# KiCad board panel_bottom.kicad_pcb (continued)
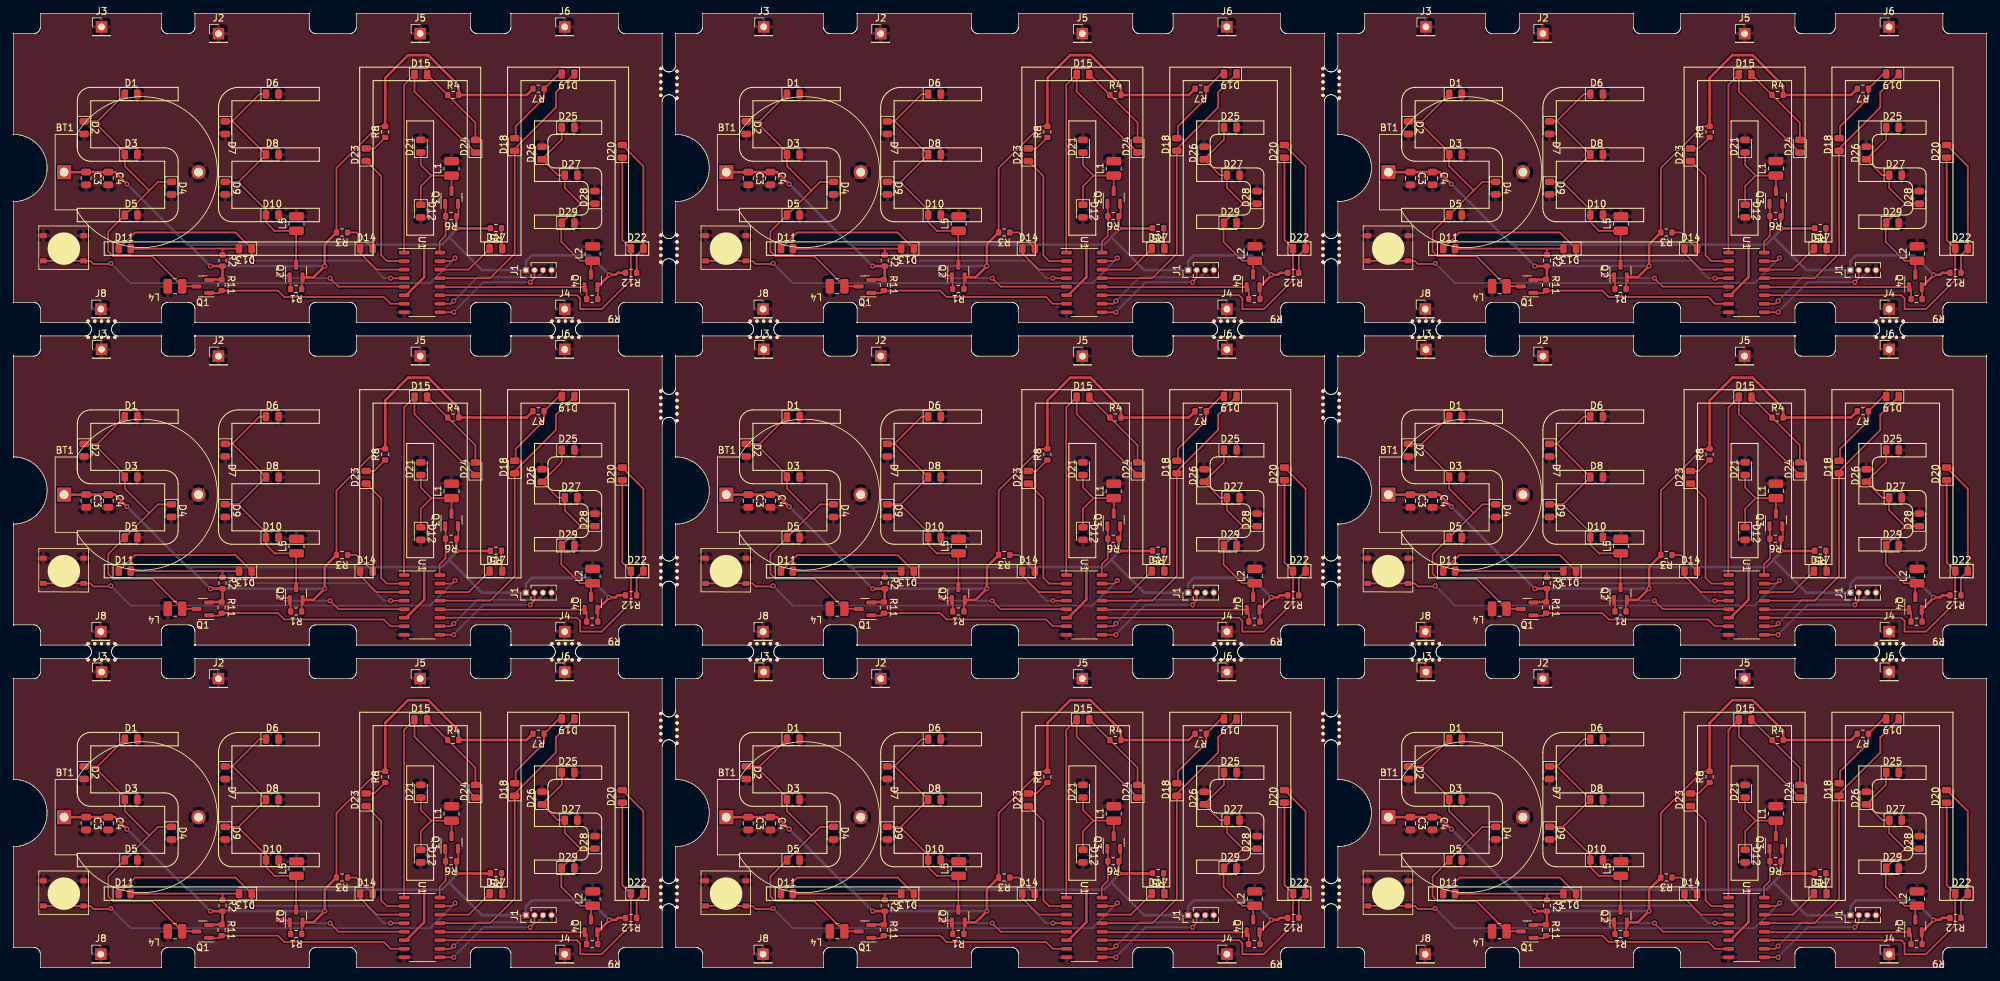
[diagram p0: board, top side]
## Routing (per net, layer and track width the routed paths; a pad name or vN(x,y) marks a point on that pad's centre or on a via; arc(x,y) is an arc through that point) (continued)
Board_4-/LED_EN_1: length 7.7
  Top w0.25: Q3#6.1 162.78,65.62 R6#4.2 162.78,60.91 161.89,60.02 161.89,58.47 U1#4.16
Board_4-/LED_EN_5: length 23.5
  Top w0.25: R9#7.2 183.77,52.95 Q4#8.1
  Top w0.254: Q4#8.1 162.01,53.26 U1#4.12
Board_4-/LED_EN_E: length 22.4
  Top w0.25: v1(138.2,55) 139.32,55 Q2#5.1 ; v1(145.6,54.6) 146.86,53.34 U1#4.5
  Top w0.254: R1#7.2 139.72,54.6 Q2#5.1
  Bottom w0.25: v1(138.2,55) 138.6,54.6 v1(145.6,54.6)
Board_4-/LED_EN_M1: length 47.3
  Top w0.254: U1#4.4 156.63,54.6 v1(154.6,54.6) ; D11#5.1 116.57,61.4 131.54,61.4 D13.1 133.94,57.26 v1(134,57.2)
  Bottom w0.254: v1(154.6,54.6) 153.6,54.6 151,57.2 v1(134,57.2)
Board_4-/LED_EN_M2: length 8.3
  Top w0.254: D14#8.1 150.06,58.34 152.52,55.88 U1#4.3
Board_4-/LED_EN_M3: length 18.8
  Top w0.254: U1#4.2 154.05,57.15 153.2,58 153.2,69.8 D23.1
Board_4-/LED_EN_M4: length 42.5
  Top w0.254: D24#6.1 158.15,82.37 D15#6.1 156.6,83.36 156.6,58.45 U1#4.1
Board_4-/LED_EN_M5: length 8.7
  Top w0.254: D17#9.1 166.21,55.88 U1#4.14
Board_4-/LED_EN_M6: length 43.1
  Top w0.254: U1#4.13 168.32,54.61 168.33,54.6 169.4,54.6 173.06,58.26 D18#6.1 173.06,73.86 179.2,80 179.2,82.26 D19#5.1
Board_4-/LED_EN_M7: length 50.7
  Top w0.254: U1#4.11 182.33,52.07 182.8,51.6 182.8,50 186,50 190.33,54.33 D22#8.1 189.06,60.27 D20#9.1
Board_4-/LED_EN_S: length 30
  Top w0.254: Q1#3.1 127.65,52.38 129.09,52.38 R11#5.2 137.85,52.75 138.8,51.8 153.6,51.8 154.6,50.8 U1#4.7 156.63,50.8
Board_4-/P3.0: length 17.4
  Top w0.254: v1(175.4,54) 176,54.6 J1#4.2 ; v1(164,49.53) U1#4.9
  Bottom w0.254: v1(175.4,54) 168.4,54 164,49.6 v1(164,49.53)
Board_4-/P3.1: length 17.7
  Top w0.254: v1(164,51.2) 163.6,50.8 U1#4.10 ; 177.2,55.73 J1#4.3
  Bottom w0.254: v1(164,51.2) 167.53,54.73 176.53,54.73 177.27,55.47 J1#4.3
Board_4-/SW_IN: length 66.7
  Top w0.25: SW1#3.1 SW1#3.1 109.94,57.17 110.4,56.72
  Top w0.254: U1#4.15 163.75,57.15 v1(164.2,57.6) ; 110.4,56.72 112.92,56.72 v1(113,56.8)
  Bottom w0.254: v1(164.2,57.6) 160.47,53.87 115.93,53.87 v1(113,56.8)
Board_4-Net-(D1-K): length 52.2
  Top w0.25: 110.44,77.94 111,77.94 D1#5.1 ; 110.44,77.94 D2#5.1 ; 110.44,77.94 115.06,73.31 D3#7.1 115.06,71.28 118.7,67.64 ; 118.7,67.64 120,68.94 D4#3.1 ; 118.7,67.64 D5#3.1
  Top w0.254: D5#3.1 112.6,61.54 112.6,58.6 113.33,57.87 119.13,57.87 L4#4.1 125.7,53.4 Q1#3.3
Board_4-Net-(D10-K): length 43.4
  Top w0.25: D6#8.1 135.1,82 131.04,77.94 D7#5.1 131.12,77.94 D8#4.1 132,68.94 D9#2.1 131.89,68.94 136.06,64.76 D10#7.1
  Top w0.254: Q2#5.3 140.55,61.6 L5#4.1 137.45,61.65 137.4,61.6 136.06,62.94 D10#7.1
Board_4-Net-(D11-A): length 19.7
  Top w0.25: D11#5.2 D13.2
  Top w0.254: D11#5.2 118.58,59 ; R2#2.1 129.6,59
Board_4-Net-(D12-K): length 14.4
  Top w0.25: D21#9.1 159.09,71.45 160.68,69.86 ; 160.68,69.86 159.09,68.28 D12.1 ; 160.68,69.86 L1#8.1 Q3#6.3
Board_4-Net-(D14-A): length 4.9
  Top w0.254: R3#4.1 149.54,61.4 D14#8.2 152.04,58.89
Board_4-Net-(D15-A): length 12.7
  Top w0.254: D24#6.2 167.22,77.73 R4#9.1 160.04,84.91 D15#6.2
  Top w0.381: R4#9.1 163.08,81.86
Board_4-Net-(D17-A): length 3.1
  Top w0.254: D17#9.2 171.09,59.11 R5#9.1
Board_4-Net-(D18-A): length 12.8
  Top w0.254: D19#5.2 179.62,85 177.43,82.8 177.43,81.42 173.2,77.2 173.2,75.57 D18#6.2 ; 180.14,85.2 180.17,85.16
Board_4-Net-(D20-A): length 20.7
  Top w0.254: D20#9.2 192.21,71.27 D22#8.2 191.2,57.99 R12#6.1
Board_4-Net-(D23-A): length 3.5
  Top w0.254: D23.2 152.16,73.91 R8#4.1
Board_4-Net-(D25-K): length 32.5
  Top w0.25: D26#6.1 179.49,69.92 D27#5.1 180.51,68.05 182.87,65.68 ; Q4#8.3 184.4,56.94 L2#8.1 ; 182.87,65.68 D28#4.1 ; 182.87,65.68 180,62.81 180,60
  Top w0.254: D26#6.1 180.06,75.22 D25#7.1 ; L2#8.1 182.81,57.19 180,60
Board_4-VCC: length 210.6
  Top w0.25: Q4#8.2 185.42,53.2 R9#7.1 ; Q3#6.2 164.68,65.62 164.68,64.08 R6#4.1
  Top w0.254: R3#4.2 146.55,71 152.75,77.2 R8#4.2 ; Q2#5.2 141.38,54.6 R1#7.1
  Top w0.381: Q1#3.2 127.68,54.4 R11#5.1 129.6,54.54 R2#2.2 v1(127.8,56.4) ; R3#4.2 144.8,59.65 v1(144.8,56.4) 143.12,54.72 Q2#5.2 ; R5#9.2 169.39,62 v1(164.4,62) 164.4,63.8 R6#4.1 ; Q4#8.2 187.1,55.01 v1(187.1,55.1) 188.1,55.1 188.4,55.4 R12#6.2 ; U1#4.6 156.91,52.07 159.6,54.75 v1(159.6,59.6) ; R8#4.2 153.8,84.4 157.2,87.8 160.2,87.8 164.74,83.26 R4#9.2 174.84,81.86 R7#2.2 ; v1(115.4,68.6) 113.6,70.4 C4#5.1 C3#7.1 109.29,70.38 BT1#4.1 ; 112.41,70.38 112.61,70.18
  Bottom w0.381: v1(144.8,56.4) v1(127.8,56.4) 124.4,59.8 124.2,59.8 ; 163.3,60.7 164.4,61.8 v1(164.4,62) ; 163.3,60.7 162.2,59.6 v1(159.6,59.6) 124.4,59.6 124.2,59.8 ; 163.3,60.7 168.2,55.8 J1#4.1 174.73,57.13 175.6,58 184.2,58 v1(187.1,55.1) ; 124.2,59.8 v1(115.4,68.6)
Board_5-/LED_EN_1: length 7.7
  Top w0.25: U1#8.16 260.39,58.47 260.39,60.02 261.28,60.91 R6.2 261.28,65.62 Q3#2.1
Board_5-/LED_EN_5: length 23.5
  Top w0.25: R9#6.2 282.27,52.95 Q4#3.1
  Top w0.254: Q4#3.1 260.51,53.26 U1#8.12
Board_5-/LED_EN_E: length 22.4
  Top w0.25: v1(244.1,54.6) 245.36,53.34 U1#8.5 ; v1(236.7,55) 237.82,55 Q2#6.1
  Top w0.254: Q2#6.1 238.22,54.6 R1#9.2
  Bottom w0.25: v1(236.7,55) 237.1,54.6 v1(244.1,54.6)
Board_5-/LED_EN_M1: length 47.3
  Top w0.254: D11#7.1 215.07,61.4 230.04,61.4 D13#9.1 232.44,57.26 v1(232.5,57.2) ; U1#8.4 255.13,54.6 v1(253.1,54.6)
  Bottom w0.254: v1(232.5,57.2) 249.5,57.2 252.1,54.6 v1(253.1,54.6)
Board_5-/LED_EN_M2: length 8.3
  Top w0.254: U1#8.3 251.02,55.88 248.56,58.34 D14#5.1
Board_5-/LED_EN_M3: length 18.8
  Top w0.254: D23#5.1 251.7,69.8 251.7,58 252.55,57.15 U1#8.2
Board_5-/LED_EN_M4: length 42.5
  Top w0.254: U1#8.1 255.1,58.45 255.1,83.36 D15#4.1 256.65,82.37 D24#7.1
Board_5-/LED_EN_M5: length 8.7
  Top w0.254: U1#8.14 264.71,55.88 D17#7.1
Board_5-/LED_EN_M6: length 43.1
  Top w0.254: D19#3.1 277.7,82.26 277.7,80 271.56,73.86 D18#7.1 271.56,58.26 267.9,54.6 266.83,54.6 266.82,54.61 U1#8.13
Board_5-/LED_EN_M7: length 50.7
  Top w0.254: D20#6.1 287.56,60.27 D22#5.1 288.83,54.33 284.5,50 281.3,50 281.3,51.6 280.83,52.07 U1#8.11
Board_5-/LED_EN_S: length 30
  Top w0.254: 255.13,50.8 U1#8.7 253.1,50.8 252.1,51.8 237.3,51.8 236.35,52.75 R11#6.2 227.59,52.38 226.15,52.38 Q1#9.1
Board_5-/P3.0: length 17.4
  Top w0.254: J1#9.2 274.5,54.6 v1(273.9,54) ; v1(262.5,49.53) U1#8.9
  Bottom w0.254: v1(262.5,49.53) 262.5,49.6 266.9,54 v1(273.9,54)
Board_5-/P3.1: length 17.7
  Top w0.254: U1#8.10 262.1,50.8 v1(262.5,51.2) ; 275.7,55.73 J1#9.3
  Bottom w0.254: J1#9.3 275.77,55.47 275.03,54.73 266.03,54.73 v1(262.5,51.2)
Board_5-/SW_IN: length 66.7
  Top w0.25: 208.9,56.72 208.44,57.17 SW1.1 SW1.1
  Top w0.254: v1(211.5,56.8) 211.42,56.72 208.9,56.72 ; U1#8.15 262.25,57.15 v1(262.7,57.6)
  Bottom w0.254: v1(262.7,57.6) 258.97,53.87 214.43,53.87 v1(211.5,56.8)
Board_5-Net-(D1-K): length 52.2
  Top w0.25: 208.94,77.94 213.56,73.31 D3#2.1 213.56,71.28 217.2,67.64 ; 208.94,77.94 D2.1 ; 208.94,77.94 209.5,77.94 D1#6.1 ; D4#7.1 218.5,68.94 217.2,67.64 ; 217.2,67.64 D5#5.1
  Top w0.254: D5#5.1 211.1,61.54 211.1,58.6 211.83,57.87 217.63,57.87 L4#5.1 224.2,53.4 Q1#9.3
Board_5-Net-(D10-K): length 43.4
  Top w0.25: D10#6.1 234.56,64.76 230.39,68.94 D9.1 230.5,68.94 D8#5.1 229.62,77.94 D7#2.1 229.54,77.94 233.6,82 D6#7.1
  Top w0.254: D10#6.1 234.56,62.94 235.9,61.6 235.95,61.65 L5#7.1 239.05,61.6 Q2#6.3
Board_5-Net-(D11-A): length 19.7
  Top w0.25: D13#9.2 D11#7.2
  Top w0.254: R2#8.1 228.1,59 ; D11#7.2 217.08,59
Board_5-Net-(D12-K): length 14.4
  Top w0.25: 259.18,69.86 257.59,71.45 D21#4.1 ; 259.18,69.86 L1#5.1 Q3#2.3 ; 259.18,69.86 257.59,68.28 D12#4.1
Board_5-Net-(D14-A): length 4.9
  Top w0.254: R3#8.1 248.04,61.4 D14#5.2 250.54,58.89
Board_5-Net-(D15-A): length 12.7
  Top w0.254: D15#4.2 258.55,84.91 R4#5.1 265.72,77.73 D24#7.2
  Top w0.381: R4#5.1 261.58,81.86
Board_5-Net-(D17-A): length 3.1
  Top w0.254: 269.59,62.05 269.59,59.11 D17#7.2
Board_5-Net-(D18-A): length 12.8
  Top w0.254: D18#7.2 271.7,75.57 271.7,77.2 275.93,81.42 R7#9.1 278.12,85 D19#3.2 ; 278.64,85.2 278.67,85.16
Board_5-Net-(D20-A): length 20.7
  Top w0.254: D20#6.2 290.71,71.27 D22#5.2 289.7,57.99 R12#7.1
Board_5-Net-(D23-A): length 3.5
  Top w0.254: D23#5.2 250.66,73.91 R8#3.1
Board_5-Net-(D25-K): length 32.5
  Top w0.25: 281.37,65.68 278.5,62.81 278.5,60 ; 281.37,65.68 D28#3.1 ; 281.37,65.68 279.01,68.05 D27.1 277.99,69.92 D26#7.1 ; Q4#3.3 282.9,56.94 L2.1
  Top w0.254: D25#4.1 278.56,75.22 D26#7.1 ; 278.5,60 281.31,57.19 L2.1
Board_5-VCC: length 210.6
  Top w0.25: Q4#3.2 283.92,53.2 R9#6.1 ; Q3#2.2 263.18,65.62 263.18,64.08 R6.1
  Top w0.254: Q2#6.2 239.88,54.6 R1#9.1 ; R8#3.2 251.25,77.2 245.05,71 R3#8.2
  Top w0.381: U1#8.6 255.41,52.07 258.1,54.75 v1(258.1,59.6) ; v1(213.9,68.6) 212.1,70.4 C4#9.1 C3#2.1 207.79,70.38 BT1#7.1 ; R6.1 262.9,63.8 v1(262.9,62) 267.89,62 R5#3.2 ; v1(226.3,56.4) R2#8.2 228.1,54.54 R11#6.1 226.18,54.4 Q1#9.2 ; R12#7.2 286.9,55.4 286.6,55.1 v1(285.6,55.1) 285.6,55.01 Q4#3.2 ; 210.91,70.38 211.11,70.18 ; 274.27,82.8 273.34,81.86 R4#5.2 263.24,83.26 258.7,87.8 255.7,87.8 252.3,84.4 R8#3.2 ; Q2#6.2 241.62,54.72 v1(243.3,56.4) 243.3,59.65 R3#8.2
  Bottom w0.381: v1(262.9,62) 262.9,61.8 261.8,60.7 ; 261.8,60.7 260.7,59.6 v1(258.1,59.6) 222.9,59.6 222.7,59.8 ; 261.8,60.7 266.7,55.8 J1#9.1 273.23,57.13 274.1,58 282.7,58 v1(285.6,55.1) ; v1(243.3,56.4) v1(226.3,56.4) 222.9,59.8 222.7,59.8 ; 222.7,59.8 v1(213.9,68.6)
Board_6-/LED_EN_1: length 7.7
  Top w0.25: U1#3.16 63.39,10.47 63.39,12.02 64.28,12.91 R6#9.2 64.28,17.62 Q3.1
Board_6-/LED_EN_5: length 23.5
  Top w0.25: R9#9.2 85.27,4.95 Q4#9.1
  Top w0.254: Q4#9.1 63.51,5.26 U1#3.12
Board_6-/LED_EN_E: length 22.4
  Top w0.25: Q2#8.1 40.83,7 v1(39.7,7) ; v1(47.1,6.6) 48.36,5.34 U1#3.5
  Top w0.254: Q2#8.1 41.23,6.6 41.23,5
  Bottom w0.25: v1(47.1,6.6) 40.1,6.6 v1(39.7,7)
Board_6-/LED_EN_M1: length 47.3
  Top w0.254: v1(56.1,6.6) 58.13,6.6 U1#3.4 ; D11#3.1 18.07,13.4 33.04,13.4 D13#7.1 35.44,9.26 v1(35.5,9.2)
  Bottom w0.254: v1(35.5,9.2) 52.5,9.2 55.1,6.6 v1(56.1,6.6)
Board_6-/LED_EN_M2: length 8.3
  Top w0.254: D14.1 51.56,10.34 54.02,7.88 U1#3.3
Board_6-/LED_EN_M3: length 18.8
  Top w0.254: D23#4.1 54.7,21.8 54.7,10 55.55,9.15 U1#3.2
Board_6-/LED_EN_M4: length 42.5
  Top w0.254: U1#3.1 58.1,10.45 58.1,35.36 D15#7.1 59.65,34.37 D24#4.1
Board_6-/LED_EN_M5: length 8.7
  Top w0.254: D17#5.1 67.71,7.88 U1#3.14
Board_6-/LED_EN_M6: length 43.1
  Top w0.254: D19.1 80.7,34.26 80.7,32 74.56,25.86 D18.1 74.56,10.26 70.9,6.6 69.83,6.6 69.82,6.61 U1#3.13
Board_6-/LED_EN_M7: length 50.7
  Top w0.254: U1#3.11 83.83,4.07 84.3,3.6 84.3,2 87.5,2 91.83,6.33 D22#4.1 90.56,12.27 D20#8.1
Board_6-/LED_EN_S: length 30
  Top w0.254: Q1#4.1 29.15,4.38 30.59,4.38 R11#8.2 39.35,4.75 40.3,3.8 55.1,3.8 56.1,2.8 U1#3.7 58.13,2.8
Board_6-/P3.0: length 17.4
  Top w0.254: J1#2.2 77.5,6.6 v1(76.9,6) ; v1(65.5,1.53) U1#3.9
  Bottom w0.254: v1(76.9,6) 69.9,6 65.5,1.6 v1(65.5,1.53)
Board_6-/P3.1: length 17.7
  Top w0.254: v1(65.5,3.2) 65.1,2.8 U1#3.10 ; 78.7,7.73 J1#2.3
  Bottom w0.254: J1#2.3 78.77,7.47 78.03,6.73 69.03,6.73 v1(65.5,3.2)
Board_6-/SW_IN: length 66.7
  Top w0.25: 11.9,8.72 11.44,9.18 SW1#7.1 SW1#7.1
  Top w0.254: v1(65.7,9.6) 65.25,9.15 U1#3.15 ; 11.9,8.72 14.42,8.72 v1(14.5,8.8)
  Bottom w0.254: v1(14.5,8.8) 17.43,5.87 61.97,5.87 v1(65.7,9.6)
Board_6-Net-(D1-K): length 52.2
  Top w0.25: 11.94,29.94 D2#6.1 ; 11.94,29.94 12.5,29.94 D1#2.1 ; 11.94,29.94 16.56,25.31 D3#5.1 16.56,23.28 20.2,19.64 ; 20.2,19.64 21.5,20.94 D4#2.1 ; 20.2,19.64 D5#7.1
  Top w0.254: D5#7.1 14.1,13.54 14.1,10.6 14.83,9.87 20.63,9.87 L4#9.1 27.2,5.4 Q1#4.3
Board_6-Net-(D10-K): length 43.4
  Top w0.25: D10#9.1 37.56,16.76 33.39,20.94 D9#4.1 33.5,20.94 D8#6.1 32.62,29.94 D7#9.1 32.54,29.94 36.6,34 D6.1
  Top w0.254: D10#9.1 37.56,14.94 38.9,13.6 38.95,13.65 L5.1 42.05,13.6 Q2#8.3
Board_6-Net-(D11-A): length 19.7
  Top w0.25: D11#3.2 D13#7.2
  Top w0.254: R2#7.1 31.1,11 ; D11#3.2 20.08,11
Board_6-Net-(D12-K): length 14.4
  Top w0.25: 62.17,21.87 L1#9.1 Q3.3 ; 62.17,21.87 60.59,20.28 D12#5.1 ; 62.17,21.87 60.59,23.45 D21#3.1
Board_6-Net-(D14-A): length 4.9
  Top w0.254: R3#7.1 51.04,13.4 D14.2 53.54,10.89
Board_6-Net-(D15-A): length 12.7
  Top w0.254: D24#4.2 68.72,29.74 R4#3.1 61.55,36.91 D15#7.2
  Top w0.381: R4#3.1 64.58,33.86
Board_6-Net-(D17-A): length 3.1
  Top w0.254: R5#8.1 72.59,11.11 D17#5.2
Board_6-Net-(D18-A): length 12.8
  Top w0.254: D19.2 81.12,37 R7.1 78.92,33.43 74.7,29.2 74.7,27.57 D18.2 ; 81.64,37.2 81.67,37.16
Board_6-Net-(D20-A): length 20.7
  Top w0.254: D20#8.2 93.71,23.27 D22#4.2 92.7,9.99 R12#5.1
Board_6-Net-(D23-A): length 3.5
  Top w0.254: D23#4.2 53.66,25.91 R8#9.1
Board_6-Net-(D25-K): length 32.5
  Top w0.25: Q4#9.3 85.9,8.94 86.15,9.19 ; 84.37,17.68 82.01,20.05 D27#7.1 80.99,21.92 D26#5.1 ; 84.37,17.68 D28#5.1 ; 84.37,17.68 81.5,14.81 81.5,12
  Top w0.254: 81.5,12 84.31,9.19 86.15,9.19 ; D26#5.1 81.56,27.22 D25#8.1
Board_6-VCC: length 210.6
  Top w0.25: Q4#9.2 86.92,5.2 R9#9.1 ; R6#9.1 66.18,16.08 66.18,17.62 Q3.2
  Top w0.254: Q2#8.2 42.88,6.6 R1#6.1 ; R8#9.2 54.25,29.2 48.05,23 R3#7.2
  Top w0.381: R3#7.2 46.3,11.65 v1(46.3,8.4) 44.62,6.72 Q2#8.2 ; R8#9.2 55.3,36.4 58.7,39.8 61.7,39.8 66.24,35.26 66.24,33.86 76.34,33.86 R7.2 ; v1(16.9,20.6) 15.1,22.4 C4.1 C3#5.1 10.79,22.38 BT1#6.1 ; R5#8.2 70.89,14 v1(65.9,14) 65.9,15.8 R6#9.1 ; R12#5.2 89.9,7.4 89.6,7.1 v1(88.6,7.1) 88.6,7.01 Q4#9.2 ; U1#3.6 58.41,4.07 61.1,6.75 v1(61.1,11.6) ; 13.91,22.38 14.11,22.18 ; v1(29.3,8.4) R2#7.2 31.1,6.54 R11#8.1 29.18,6.4 Q1#4.2
  Bottom w0.381: 64.8,12.7 69.7,7.8 J1#2.1 76.23,9.13 77.1,10 85.7,10 v1(88.6,7.1) ; 64.8,12.7 63.7,11.6 v1(61.1,11.6) 25.9,11.6 25.7,11.8 ; 64.8,12.7 65.9,13.8 v1(65.9,14) ; 25.7,11.8 v1(16.9,20.6) ; 25.7,11.8 25.9,11.8 v1(29.3,8.4) v1(46.3,8.4)
Board_7-/LED_EN_1: length 7.7
  Top w0.25: Q3#3.1 162.78,17.62 R6#6.2 162.78,12.91 161.89,12.02 161.89,10.47 U1#2.16
Board_7-/LED_EN_5: length 23.5
  Top w0.25: Q4#2.1 183.77,4.95 R9#4.2
  Top w0.254: Q4#2.1 162.01,5.26 U1#2.12
Board_7-/LED_EN_E: length 22.4
  Top w0.25: U1#2.5 146.86,5.34 v1(145.6,6.6) ; v1(138.2,7) 139.32,7 Q2#2.1
  Top w0.254: R1.2 139.72,6.6 Q2#2.1
  Bottom w0.25: v1(138.2,7) 138.6,6.6 v1(145.6,6.6)
Board_7-/LED_EN_M1: length 47.3
  Top w0.254: D11#8.1 116.57,13.4 131.54,13.4 D13#3.1 133.94,9.26 v1(134,9.2) ; U1#2.4 156.63,6.6 v1(154.6,6.6)
  Bottom w0.254: v1(154.6,6.6) 153.6,6.6 151,9.2 v1(134,9.2)
Board_7-/LED_EN_M2: length 8.3
  Top w0.254: D14#4.1 150.06,10.34 152.52,7.88 U1#2.3
Board_7-/LED_EN_M3: length 18.8
  Top w0.254: U1#2.2 154.05,9.15 153.2,10 153.2,21.8 D23#9.1
Board_7-/LED_EN_M4: length 42.5
  Top w0.254: U1#2.1 156.6,10.45 156.6,35.36 D15#9.1 158.15,34.37 D24#2.1
Board_7-/LED_EN_M5: length 8.7
  Top w0.254: U1#2.14 166.21,7.88 D17#6.1
Board_7-/LED_EN_M6: length 43.1
  Top w0.254: D19#4.1 179.2,34.26 179.2,32 173.06,25.86 D18#3.1 173.06,10.26 169.4,6.6 168.33,6.6 168.32,6.61 U1#2.13
Board_7-/LED_EN_M7: length 50.7
  Top w0.254: D20#4.1 189.06,12.27 D22#2.1 190.33,6.33 186,2 182.8,2 182.8,3.6 182.33,4.07 U1#2.11
Board_7-/LED_EN_S: length 30
  Top w0.254: 156.63,2.8 U1#2.7 154.6,2.8 153.6,3.8 138.8,3.8 137.85,4.75 R11#3.2 129.09,4.38 127.65,4.38 Q1#2.1
Board_7-/P3.0: length 17.4
  Top w0.254: J1#3.2 176,6.6 v1(175.4,6) ; v1(164,1.53) U1#2.9
  Bottom w0.254: v1(164,1.53) 164,1.6 168.4,6 v1(175.4,6)
Board_7-/P3.1: length 17.7
  Top w0.254: v1(164,3.2) 163.6,2.8 U1#2.10 ; 177.2,7.73 J1#3.3
  Bottom w0.254: J1#3.3 177.27,7.47 176.53,6.73 167.53,6.73 v1(164,3.2)
Board_7-/SW_IN: length 66.7
  Top w0.25: 110.4,8.72 109.94,9.18 SW1#9.1 SW1#9.1
  Top w0.254: 110.4,8.72 112.92,8.72 v1(113,8.8) ; v1(164.2,9.6) 163.75,9.15 U1#2.15
  Bottom w0.254: v1(113,8.8) 115.93,5.87 160.47,5.87 v1(164.2,9.6)
Board_7-Net-(D1-K): length 52.2
  Top w0.25: 118.7,19.64 115.06,23.28 D3#4.1 115.06,25.31 110.44,29.94 ; 118.7,19.64 D5#6.1 ; 118.7,19.64 120,20.94 D4#4.1 ; 110.44,29.94 D2#3.1 ; 110.44,29.94 111,29.94 D1.1
  Top w0.254: Q1#2.3 125.7,5.4 L4#7.1 119.13,9.87 113.33,9.87 112.6,10.6 112.6,13.54 D5#6.1
Board_7-Net-(D10-K): length 43.4
  Top w0.25: D10#3.1 136.06,16.76 131.89,20.94 D9#8.1 132,20.94 D8#7.1 131.12,29.94 D7#3.1 131.04,29.94 135.1,34 D6#4.1
  Top w0.254: Q2#2.3 140.55,13.6 L5#3.1 137.45,13.65 137.4,13.6 136.06,14.94 D10#3.1
Board_7-Net-(D11-A): length 19.7
  Top w0.25: D13#3.2 D11#8.2
  Top w0.254: D11#8.2 118.58,11 ; R2#6.1 129.6,11
Board_7-Net-(D12-K): length 14.4
  Top w0.25: 160.68,21.87 L1#7.1 Q3#3.3 ; 160.68,21.87 159.09,20.28 D12#9.1 ; 160.68,21.87 159.09,23.45 D21#5.1
Board_7-Net-(D14-A): length 4.9
  Top w0.254: R3.1 149.54,13.4 D14#4.2 152.04,10.89
Board_7-Net-(D15-A): length 12.7
  Top w0.254: D15#9.2 160.04,36.91 R4#6.1 167.22,29.74 D24#2.2
  Top w0.381: R4#6.1 163.08,33.86
Board_7-Net-(D17-A): length 3.1
  Top w0.254: R5#6.1 171.09,11.11 D17#6.2
Board_7-Net-(D18-A): length 12.8
  Top w0.254: D19#4.2 179.62,37 177.43,34.8 177.43,33.43 173.2,29.2 173.2,27.57 D18#3.2 ; 180.14,37.2 180.17,37.16
Board_7-Net-(D20-A): length 20.7
  Top w0.254: R12#2.1 191.2,9.99 D22#2.2 192.21,23.27 D20#4.2
Board_7-Net-(D23-A): length 3.5
  Top w0.254: D23#9.2 152.16,25.91 R8.1
Board_7-Net-(D25-K): length 32.5
  Top w0.25: Q4#2.3 184.4,8.94 184.65,9.19 ; 182.87,17.68 180,14.81 180,12 ; 182.87,17.68 D28.1 ; 182.87,17.68 180.51,20.05 D27#8.1 179.49,21.92 D26#2.1
  Top w0.254: 184.65,9.19 182.81,9.19 180,12 ; D26#2.1 180.06,27.22 D25#3.1
Board_7-VCC: length 210.6
  Top w0.25: Q3#3.2 164.68,17.62 164.68,16.08 R6#6.1 ; Q4#2.2 185.42,5.2 R9#4.1
  Top w0.254: R1.1 141.38,6.6 Q2#2.2 ; R8.2 152.75,29.2 146.55,23 R3.2
  Top w0.381: v1(115.4,20.6) 113.6,22.4 C4#4.1 C3#4.1 109.29,22.38 BT1#3.1 ; Q2#2.2 143.12,6.72 v1(144.8,8.4) 144.8,11.65 R3.2 ; v1(159.6,11.6) 159.6,6.75 156.91,4.07 U1#2.6 ; 112.41,22.38 112.61,22.18 ; v1(127.8,8.4) R2#6.2 129.6,6.54 R11#3.1 127.68,6.4 Q1#2.2 ; R5#6.2 169.39,14 v1(164.4,14) 164.4,15.8 R6#6.1 ; R8.2 153.8,36.4 157.2,39.8 160.2,39.8 164.74,35.26 R4#6.2 174.84,33.86 R7#6.2 ; Q4#2.2 187.1,7.01 v1(187.1,7.1) 188.1,7.1 188.4,7.4 R12#2.2
  Bottom w0.381: v1(164.4,14) 164.4,13.8 163.3,12.7 ; v1(115.4,20.6) 124.2,11.8 ; 124.2,11.8 124.4,11.6 v1(159.6,11.6) 162.2,11.6 163.3,12.7 ; 124.2,11.8 124.4,11.8 v1(127.8,8.4) v1(144.8,8.4) ; 163.3,12.7 168.2,7.8 J1#3.1 174.73,9.13 175.6,10 184.2,10 v1(187.1,7.1)
Board_8-/LED_EN_1: length 7.7
  Top w0.25: Q3#8.1 261.28,17.62 R6#2.2 261.28,12.91 260.39,12.02 260.39,10.47 U1#5.16
Board_8-/LED_EN_5: length 23.5
  Top w0.25: Q4#6.1 282.27,4.95 R9.2
  Top w0.254: Q4#6.1 260.51,5.26 U1#5.12
Board_8-/LED_EN_E: length 22.4
  Top w0.25: Q2#4.1 237.82,7 v1(236.7,7) ; v1(244.1,6.6) 245.36,5.34 U1#5.5
  Top w0.254: R1#3.2 238.22,6.6 Q2#4.1
  Bottom w0.25: v1(244.1,6.6) 237.1,6.6 v1(236.7,7)
Board_8-/LED_EN_M1: length 47.3
  Top w0.254: v1(253.1,6.6) 255.13,6.6 U1#5.4 ; v1(232.5,9.2) 232.44,9.26 D13#4.1 230.04,13.4 215.07,13.4 D11#9.1
  Bottom w0.254: v1(232.5,9.2) 249.5,9.2 252.1,6.6 v1(253.1,6.6)
Board_8-/LED_EN_M2: length 8.3
  Top w0.254: U1#5.3 251.02,7.88 248.56,10.34 D14#2.1
Board_8-/LED_EN_M3: length 18.8
  Top w0.254: D23#2.1 251.7,21.8 251.7,10 252.55,9.15 U1#5.2
Board_8-/LED_EN_M4: length 42.5
  Top w0.254: D24#9.1 256.65,34.37 D15.1 255.1,35.36 255.1,10.45 U1#5.1
Board_8-/LED_EN_M5: length 8.7
  Top w0.254: U1#5.14 264.71,7.88 D17#2.1
Board_8-/LED_EN_M6: length 43.1
  Top w0.254: D19#8.1 277.7,34.26 277.7,32 271.56,25.86 D18#5.1 271.56,10.26 267.9,6.6 266.83,6.6 266.82,6.61 U1#5.13
Board_8-/LED_EN_M7: length 50.7
  Top w0.254: U1#5.11 280.83,4.07 281.3,3.6 281.3,2 284.5,2 288.83,6.33 D22#9.1 287.56,12.27 D20#5.1
Board_8-/LED_EN_S: length 30
  Top w0.254: Q1#6.1 226.15,4.38 227.59,4.38 R11#9.2 236.35,4.75 237.3,3.8 252.1,3.8 253.1,2.8 U1#5.7 255.13,2.8
Board_8-/P3.0: length 17.4
  Top w0.254: v1(273.9,6) 274.5,6.6 J1.2 ; v1(262.5,1.53) U1#5.9
  Bottom w0.254: v1(273.9,6) 266.9,6 262.5,1.6 v1(262.5,1.53)
Board_8-/P3.1: length 17.7
  Top w0.254: U1#5.10 262.1,2.8 v1(262.5,3.2) ; 275.7,7.73 J1.3
  Bottom w0.254: J1.3 275.77,7.47 275.03,6.73 266.03,6.73 v1(262.5,3.2)
Board_8-/SW_IN: length 66.7
  Top w0.25: SW1#4.1 SW1#4.1 208.44,9.18 208.9,8.72
  Top w0.254: v1(262.7,9.6) 262.25,9.15 U1#5.15 ; v1(211.5,8.8) 211.42,8.72 208.9,8.72
  Bottom w0.254: v1(211.5,8.8) 214.43,5.87 258.97,5.87 v1(262.7,9.6)
Board_8-Net-(D1-K): length 52.2
  Top w0.25: 208.94,29.94 213.56,25.31 D3#3.1 213.56,23.28 217.2,19.64 ; 208.94,29.94 209.5,29.94 D1#4.1 ; 208.94,29.94 D2#7.1 ; D4#8.1 218.5,20.94 217.2,19.64 ; D5#4.1 217.2,19.64
  Top w0.254: Q1#6.3 224.2,5.4 L4#8.1 217.63,9.87 211.83,9.87 211.1,10.6 211.1,13.54 D5#4.1
Board_8-Net-(D10-K): length 43.4
  Top w0.25: D10#2.1 234.56,16.76 230.39,20.94 D9#3.1 230.5,20.94 D8.1 229.62,29.94 D7#8.1 229.54,29.94 233.6,34 D6#2.1
  Top w0.254: Q2#4.3 239.05,13.6 L5#8.1 235.95,13.65 235.9,13.6 234.56,14.94 D10#2.1
Board_8-Net-(D11-A): length 19.7
  Top w0.25: D11#9.2 D13#4.2
  Top w0.254: D11#9.2 217.08,11 ; R2#9.1 228.1,11
Board_8-Net-(D12-K): length 14.4
  Top w0.25: 259.18,21.87 257.59,23.45 D21#8.1 ; 259.18,21.87 257.59,20.28 D12#8.1 ; 259.18,21.87 L1#3.1 Q3#8.3
Board_8-Net-(D14-A): length 4.9
  Top w0.254: R3#3.1 248.04,13.4 D14#2.2 250.54,10.89
Board_8-Net-(D15-A): length 12.7
  Top w0.254: D24#9.2 265.72,29.74 R4#8.1 258.55,36.91 D15.2
  Top w0.381: R4#8.1 261.58,33.86
Board_8-Net-(D17-A): length 3.1
  Top w0.254: 269.59,14.05 269.59,11.11 D17#2.2
Board_8-Net-(D18-A): length 12.8
  Top w0.254: 278.64,37.2 278.67,37.16 ; D19#8.2 278.12,37 R7#4.1 275.93,33.43 271.7,29.2 271.7,27.57 D18#5.2
Board_8-Net-(D20-A): length 20.7
  Top w0.254: R12#9.1 289.7,9.99 D22#9.2 290.71,23.27 D20#5.2
Board_8-Net-(D23-A): length 3.5
  Top w0.254: D23#2.2 250.66,25.91 R8#5.1
Board_8-Net-(D25-K): length 32.5
  Top w0.25: 281.37,17.68 278.5,14.81 278.5,12 ; 281.37,17.68 D28#8.1 ; 281.37,17.68 279.01,20.05 D27#3.1 277.99,21.92 D26#8.1 ; Q4#6.3 282.9,8.94 283.15,9.19
  Top w0.254: 283.15,9.19 281.31,9.19 278.5,12 ; D25#6.1 278.56,27.22 D26#8.1
Board_8-VCC: length 210.6
  Top w0.25: R9.1 283.92,5.2 Q4#6.2 ; R6#2.1 263.18,16.08 263.18,17.62 Q3#8.2
  Top w0.254: R3#3.2 245.05,23 251.25,29.2 R8#5.2 ; Q2#4.2 239.88,6.6 R1#3.1
  Top w0.381: BT1#8.1 207.79,22.38 C3#3.1 C4#8.1 212.1,22.4 v1(213.9,20.6) ; R5.2 267.89,14 v1(262.9,14) 262.9,15.8 R6#2.1 ; R12#9.2 286.9,7.4 286.6,7.1 v1(285.6,7.1) 285.6,7.01 Q4#6.2 ; R3#3.2 243.3,11.65 v1(243.3,8.4) 241.62,6.72 Q2#4.2 ; v1(258.1,11.6) 258.1,6.75 255.41,4.07 U1#5.6 ; R8#5.2 252.3,36.4 255.7,39.8 258.7,39.8 263.24,35.26 R4#8.2 273.34,33.86 274.27,34.8 ; v1(226.3,8.4) R2#9.2 228.1,6.54 R11#9.1 226.18,6.4 Q1#6.2 ; 210.91,22.38 211.11,22.18
  Bottom w0.381: 222.7,11.8 222.9,11.6 v1(258.1,11.6) 260.7,11.6 261.8,12.7 ; 222.7,11.8 222.9,11.8 v1(226.3,8.4) v1(243.3,8.4) ; 222.7,11.8 v1(213.9,20.6) ; 261.8,12.7 262.9,13.8 v1(262.9,14) ; 261.8,12.7 266.7,7.8 J1.1 273.23,9.13 274.1,10 282.7,10 v1(285.6,7.1)

## Copper pours and planes (outline as drawn; the poured copper is in the pictures)
Board_0-GND on Top: 96.7,95.6 -0.5,96 -0.1,142.2 96.9,142.4 96.9,138.8
Board_0-GND on Bottom: -0.1,142.2 96.9,142.4 96.7,95.6 -0.5,96
Board_1-GND on Top: 195.2,95.6 98,96 98.4,142.2 195.4,142.4 195.4,138.8
Board_1-GND on Bottom: 98.4,142.2 195.4,142.4 195.2,95.6 98,96
Board_2-GND on Top: 293.7,95.6 196.5,96 196.9,142.2 293.9,142.4 293.9,138.8
Board_2-GND on Bottom: 196.9,142.2 293.9,142.4 293.7,95.6 196.5,96
Board_3-GND on Top: 96.7,47.6 -0.5,48 -0.1,94.2 96.9,94.4 96.9,90.8
Board_3-GND on Bottom: -0.1,94.2 96.9,94.4 96.7,47.6 -0.5,48
Board_4-GND on Top: 195.2,47.6 98,48 98.4,94.2 195.4,94.4 195.4,90.8
Board_4-GND on Bottom: 98.4,94.2 195.4,94.4 195.2,47.6 98,48
Board_5-GND on Top: 293.7,47.6 196.5,48 196.9,94.2 293.9,94.4 293.9,90.8
Board_5-GND on Bottom: 196.9,94.2 293.9,94.4 293.7,47.6 196.5,48
Board_6-GND on Top: 96.7,-0.4 -0.5,0 -0.1,46.2 96.9,46.4 96.9,42.8
Board_6-GND on Bottom: -0.1,46.2 96.9,46.4 96.7,-0.4 -0.5,0
Board_7-GND on Top: 195.2,-0.4 98,0 98.4,46.2 195.4,46.4 195.4,42.8
Board_7-GND on Bottom: 98.4,46.2 195.4,46.4 195.2,-0.4 98,0
Board_8-GND on Top: 293.7,-0.4 196.5,0 196.9,46.2 293.9,46.4 293.9,42.8
Board_8-GND on Bottom: 196.9,46.2 293.9,46.4 293.7,-0.4 196.5,0

## Text on the board
B.Silkscreen: M32 / By: / Dávid P., / Kristóf H., / Regi R. | Készült a SEM 15. születésnapja alkalmából / 2008-2023
